# Altium PCB ZJUD_Bottomboard.PcbDoc
Units mm, origin at the board's own origin, x right, y up, seen from the top; angles counter-clockwise.
Board outline 101 x 72 mm, 2 copper layers (Top Layer, Bottom Layer), stack 1.671 mm thick; 69 components, 45 nets, 285 pads, 620 vias.
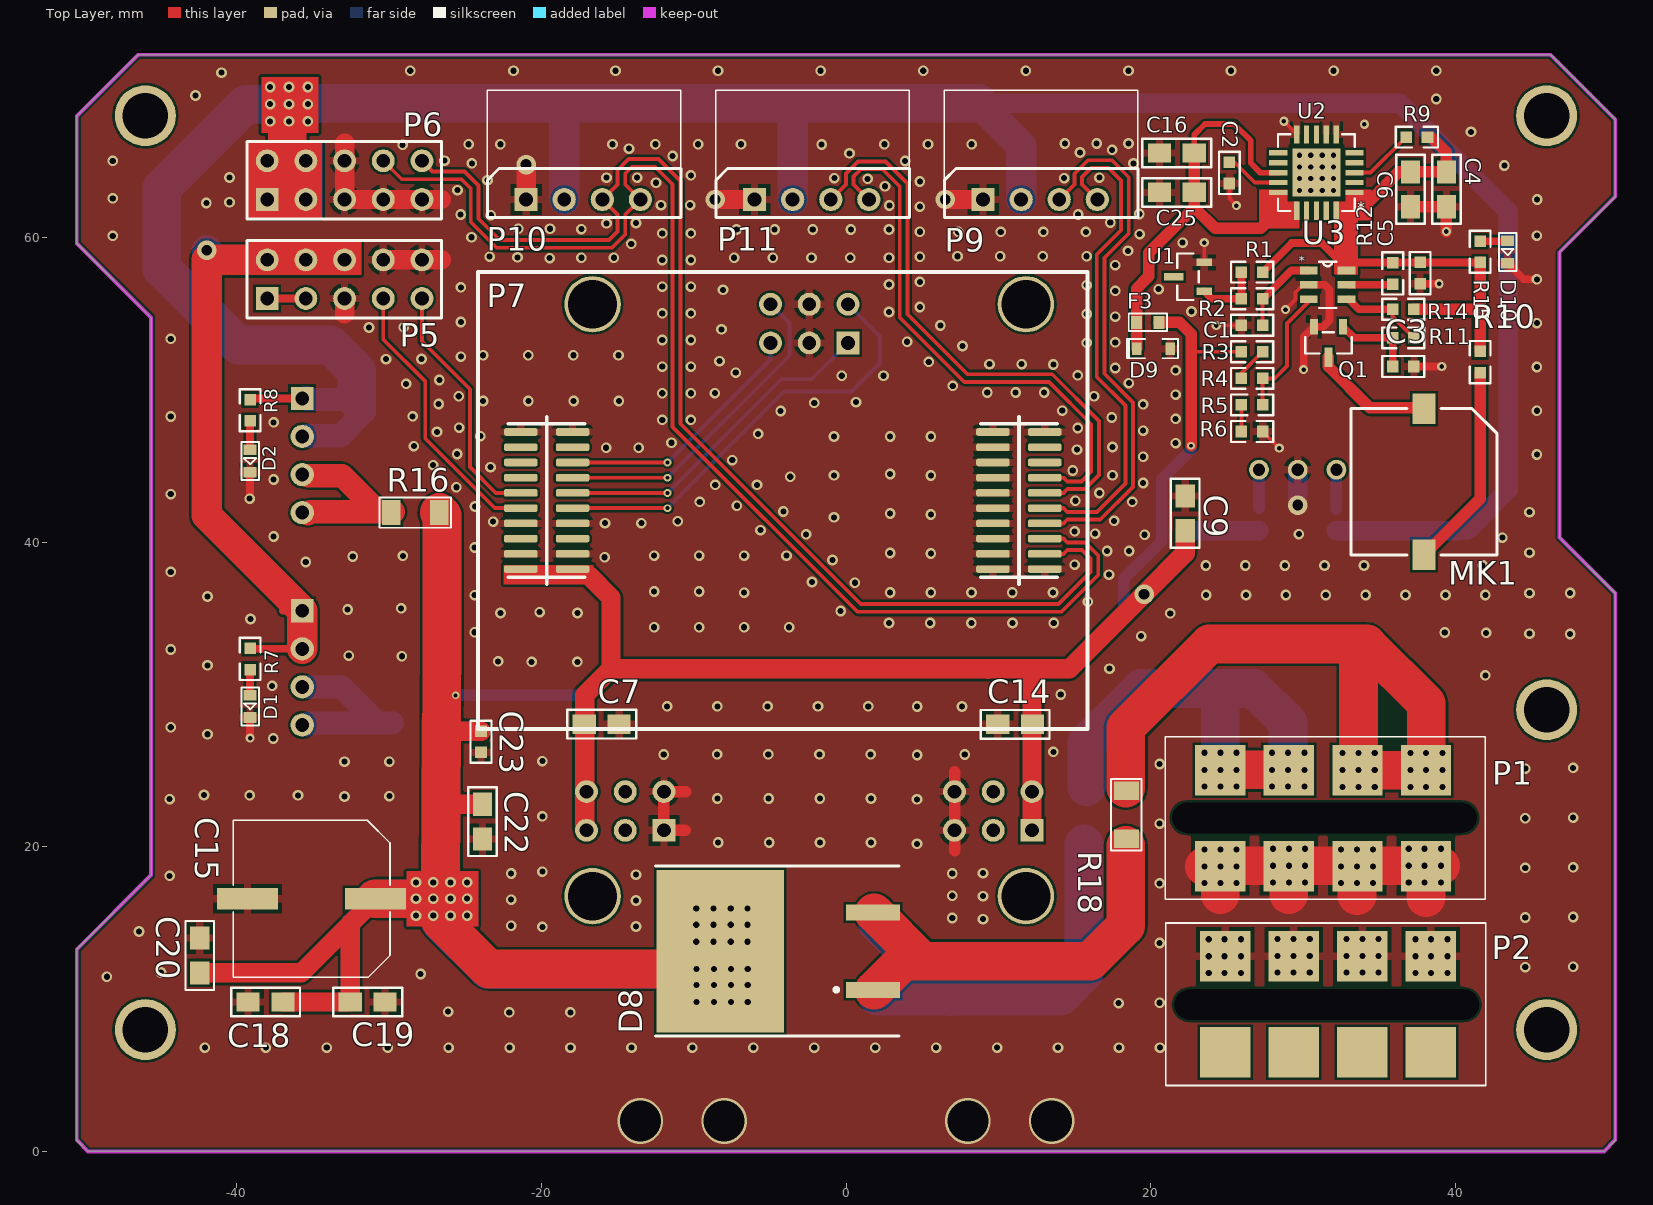
[diagram p0: Top Layer view]
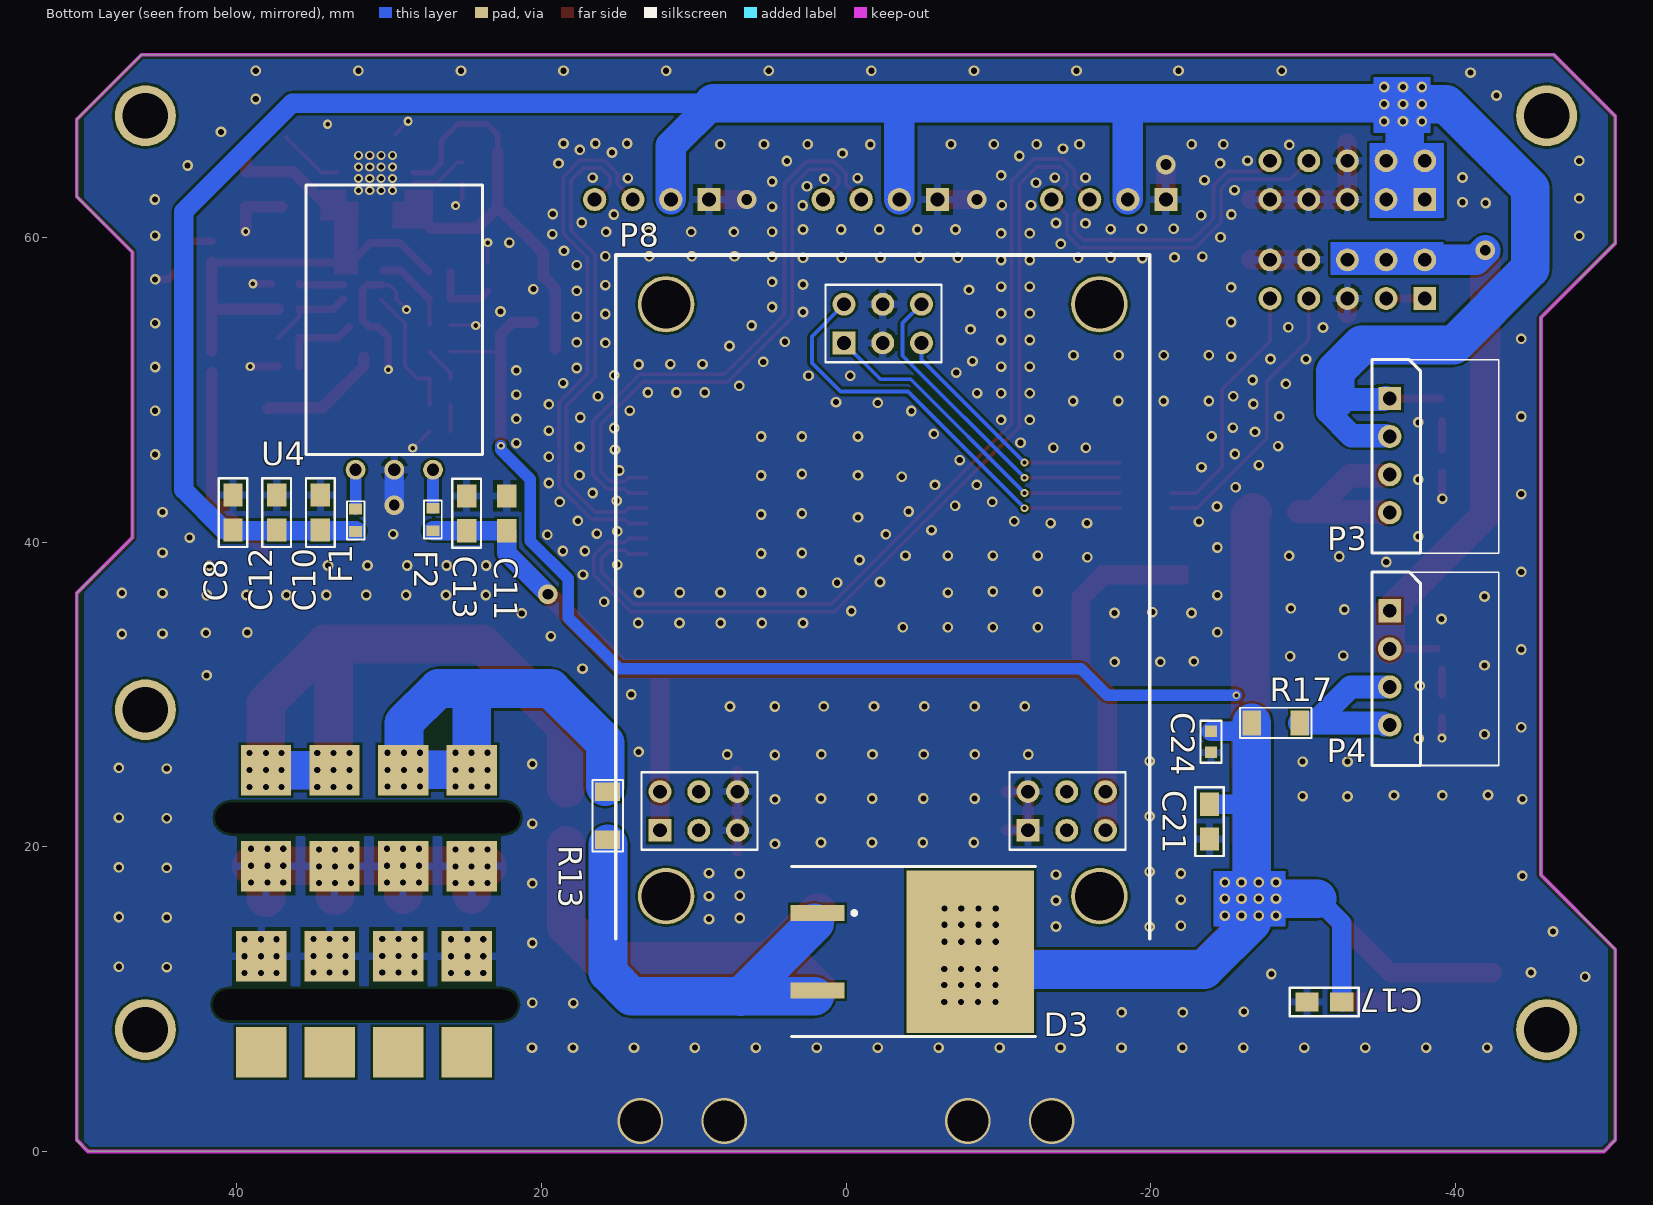
[diagram p1: Bottom Layer view, seen from below]

## Layer stack, top to bottom
Top Solder: solder mask 0.0102, Solder Resist, Dk 3.5
Top Layer: signal copper 0.0356
Dielectric1: core 1.6, FR-4, Dk 4.8
Bottom Layer: signal copper 0.0356
Bottom Solder: solder mask 0.0102, Solder Resist, Dk 3.5

## Board outline
-50.5,0.741 -49.759,0 49.759,0 50.5,0.741 50.5,36.656 46.853,40.303 46.853,59.038 50.5,62.685 50.5,67.766 46.266,72 -46.489,72 -50.5,67.989 -50.5,59.622 -45.628,54.751 -45.628,18.149 -50.5,13.278

## Design rules (kind name [scope] priority, off if disabled: settings)
Clearance Clearance_1 [INPOLYGON] p1: gap=0.152
Clearance [All] p2: gap=0.152
ComponentClearance [All] p1: gap=0 collisioncheckmode=3 verticalgap=0 showdistances=FALSE
DiffPairsRouting [All] p1: maxlimit=0.254 minlimit=0.254 mostfreqgap=0.254 toplayer_minwidth=0.203 toplayer_maxwidth=0.381 toplayer_prefwidth=0.381 bottomlayer_minwidth=0.203 bottomlayer_maxwidth=0.381 bottomlayer_prefwidth=0.381 maxuncoupledlength=12.7
HoleSize [All] p1: absolutevalues=TRUE maxlimit=20 minlimit=0.025 maxpercent=80.000 minpercent=20.000
MinimumSolderMaskSliver [All] p1: minsoldermaskwidth=0.01
NetAntennae [All] p1: netantennaetolerance=0.025
PlaneConnect [All] p1: planeconnectstyle=Relief reliefexpansion=0.508 reliefentries=4 reliefconductorwidth=1.27 reliefairgap=0.254
PolygonConnect PolygonConnect_1 [ISVIA] p1: connectstyle=Direct reliefconductorwidth=0.254 reliefentries=4 polygonreliefangle="90 Angle" airgapwidth=0.254
PolygonConnect [All] p2: connectstyle=Relief reliefconductorwidth=0.508 reliefentries=4 polygonreliefangle="90 Angle" airgapwidth=0.254
RoutingVias [All] p1: holewidth=0.254 width=0.508 viastyle="Through Hole" minholewidth=0.1 minwidth=0.105 maxholewidth=30 maxwidth=20
SilkToSilkClearance [All] p1: silktosilkclearance=0
SilkToSolderMaskClearance [IsPad] p1: minsilkscreentomaskgap=0 clearancetoexposedcopper=TRUE
SolderMaskExpansion [All] p1: expansion=0.102
Width [All] p1: maxlimit=3.81 minlimit=0.152 preferedwidth=0.254 minimp=50.000000 maximp=50.000000 favimp=50.000000
22 further rules are at their usual default settings.

## Components (designator, comment, footprint, x,y, rotation, side; value= is the part's Value field where it differs from the comment)
C1 "Cb" 0603C 25.959,54.246 r0 top
C2 "Cb" 0603C 25.171,63.551 r90 top
C3 "Cb" 0603C 37.287,51.537 r180 top
C4 "0805" 0805C#1 39.421,64.313 r270 top
C5 "Cb" 0603C 37.694,56.972 r90 top
C6 "0805" 0805C#1 37.059,64.313 r270 top
C7 "0805" 0805C#1 -14.894,28.055 r180 top
C8 "0805" 0805C#1 40.249,43.092 r270 bottom
C9 "0805" 0805C#1 22.266,43.041 r270 top
C10 "0805" 0805C#1 34.509,43.092 r270 bottom
C11 "0805" 0805C#2 22.266,43.041 r90 bottom
C12 "0805" 0805C#1 37.379,43.092 r270 bottom
C13 "0805" 0805C#1 24.909,43.041 r270 bottom
C14 "0805" 0805C#1 12.243,28.042 r180 top
C15 "Cap_Sanyo_330" CAP_SANYO_330 -35.087,16.6 r180 top
C16 "0805" 0805C#1 20.574,65.558 r0 top
C17 "0805" 0805C#1 -32.547,9.818 r0 bottom
C18 "0805" 0805C#1 -36.967,9.818 r180 top
C19 "0805" 0805C#1 -32.547,9.818 r0 top
C20 "0805" 0805C#1 -42.428,11.723 r90 top
C21 "0805" 0805C#1 -23.861,22.797 r270 bottom
C22 "0805" 0805C#1 -23.861,22.797 r270 top
C23 "0603" 0603C -23.962,27.598 r270 top
C24 "0603" 0603C -23.962,27.598 r270 bottom
C25 "0805" 0805C#1 20.574,62.967 r0 top
D1 "LED0603" 0603Led -39.126,29.224 r90 top
D2 "LED0603" 0603Led -39.126,45.327 r90 top
D3 "30CTQ80-S" D2PAK -4.226,13.12 r270 bottom
D8 "30CTQ80-S" D2PAK -4.318,13.157 r90 top locked
D9 "1N4007" SOD323-1N4007 20.193,52.705 r0 top
D10 "LED0603" 0603Led 43.434,59.055 r90 top
F1 "Fuse_0603" 0603Fuse 32.197,41.441 r270 bottom
F2 "Fuse_0603" 0603Fuse 27.117,41.492 r270 bottom
F3 "Fuse_0603" 0603Fuse 19.812,54.432 r180 top
MK1 "Buzzer_Smd_Source_9696" Buzzer_Smd_S 37.948,43.967 r180 top locked
P1 "DS_PWR_BOARD" DS_PWR_BOARD 24.577,25.033 r0 top
P2 "DS_PWR_BOARD" DS_PWR_BOARD 38.395,6.516 r180 top
P3 "5264-4" "5264-4 - wan" -35.7,49.442 r270 bottom locked
P4 "5264-4" "5264-4 - wan" -35.7,35.5 r270 bottom locked
P5 "Header 5X2" HDR2X5 -38,56 r0 top
P6 "Header 5X2" HDR2X5 -38,62.5 r0 top
P7 "ZJUD_Motor_Module" ZJUD_MOTOR_MODULE 15.85,27.737 r90 top locked
P8 "GYRO_Header 2X5_2.54" GYRO_HDR2X5_2.54 -2.413,55.626 r180 bottom locked
P9 "5264-4" "5264-4 - wan" 9,62.5 r0 top locked
P10 "5264-4" "5264-4 - wan" -21,62.5 r0 top locked
P11 "5264-4" "5264-4 - wan" -6,62.5 r0 top locked
Q1 "SI2302" SOT23-3 31.674,53.086 r180 top
R1 "Rb" 0603R 25.959,57.734 r0 top
R2 "Rb" 0603R 25.959,55.99 r0 top
R3 "Rb" 0603R 25.959,52.502 r0 top
R4 "Rb" 0603R 25.959,50.758 r0 top
R5 "Rb" 0603R 27.356,49.014 r180 top
R6 "Rb" 0603R 25.959,47.269 r0 top
R7 "Rb" 0603R -39.126,33.034 r270 top
R8 "Rb" 0603R -39.126,49.366 r270 top
R9 "Rb" 0603R 38.176,66.599 r180 top
R10 "Rb" 0603R 41.631,52.527 r270 top
R11 "Rb" 0603R 35.89,53.416 r0 top
R12 "Rb" 0603R 35.89,56.947 r90 top
R13 "FUSE1206" 1206R 15.646,22.047 r90 bottom
R14 "Rb" 0603R 35.89,55.296 r0 top
R15 "Rb" 0603R 41.631,58.369 r90 top
R16 "FUSE1206" 1206R -28.28,41.949 r180 top
R17 "FUSE1206" 1206R -28.207,28.134 r0 bottom
R18 "FUSE1206" 1206R 18.405,22.112 r270 top
U1 "LM4040C41IDBZR" SOT23-3 22.454,57.429 r90 top
U2 "TPS7A4701_RGW_20" VQFN-20 30.886,64.262 r180 top locked
U3 "LMV761" SOT23-6 31.623,56.896 r0 top
U4 "K7805-1500" K78X6-1500(L) 29.656,44.757 r270 bottom locked

## Footprints (in the part's own frame and the unit in brackets; to place one, negate y for a bottom-side part, rotate by r counter-clockwise, add the part's x,y. Pads: shape width x height; smd on the part's side, far side on the other; paste and mask are expansions set on the pad)
0603C [mil]
  rect 30x30 smd: 1(0,0) 2(55,0)
  silkscreen extent -27,-27 82,27, body extent -4,-16 58,16, height 12
0603Fuse [mm] "0603贴片保险丝"
  rect 0.7x0.85 smd: 1(-0.736,0) 2(0.736,0)
  silkscreen extent -1.25,-0.58 1.25,0.58, body extent -0.8,-0.4 0.8,0.4, height 0.73
0603Led [mm] "0603贴?"
  rect 0.7x0.85 smd: 1(-0.736,0) 2(0.736,0)
  silkscreen extent -1.25,-0.57 1.25,0.58, body extent -0.81,-0.4 0.81,0.4, height 0.62
0603R [mil]
  rect 30x30 smd: 1(0,0) 2(55,0)
  silkscreen extent -27,-27 82,27, body extent -4,-18 58,16, height 18
0805C#1 [mil]
  rect 60x50 smd: 1(0,0) 2(90,0)
  silkscreen extent -44,-37 134,37, body extent 5,-25 83,25, height 31
0805C#2 [mil]
  rect 60x50 smd: 1(0,0) 2(-90,0)
  body extent -83,-25 -5,25, height 31
1206R [mm] "1206贴片电阻"
  rect 1.2x1.65 smd: 1(-1.575,0) 2(1.575,0)
  silkscreen extent -2.35,-1 2.35,1, body extent -1.6,-0.8 1.6,0.8, height 0.52
"5264-4 - wan" [mil]
  rect 60x59.05 hole 36: 1(0,0)
  round 60 hole 36: 2(98.43,0) 3(196.85,0) 4(295.28,0)
  silkscreen extent -100,-46 400,282, body extent -101,-16 391,283, height 197
Buzzer_Smd_S [mm]
  rect 1.5x2 smd: 1(0,4.8) 2(0,-4.8)
  silkscreen extent -4.8,-4.8 4.8,4.8, body extent -4.8,-4.9 4.8,4.9, height 5.52
CAP_SANYO_330 [mm] "贴片电解电容"
  rect 4x1.4 smd: 1(-4.2,0) 2(4.2,0)
  silkscreen extent -5.15,-5.15 5.15,5.15, body extent -5.56,-5.15 5.54,5.15, height 10.13
D2PAK [mil]
  rect 41.34x140 smd: 1(-100,-240) 3(100,-240)
  rect 420x330 smd: 2(0,155)
  silkscreen extent -219,-307 219,323, body extent -200,-288 200,313, height 184
DS_PWR_BOARD [mil]
  round 39.37 hole 78.74 slot 787.4 at 0 deg: 0(269,-123)
  rect 130x130 smd far side: 1(0,0) 2(177.17,0) 3(354.33,0) 4(531.5,0) 5(0,-248.03) 6(177.17,-248.03) 7(354.33,-248.03) 8(531.5,-248.03)
  rect 130x130 smd: 1(0,0) 2(177.17,0) 3(354.33,0) 4(531.5,0) 5(0,-248.03) 6(177.17,-248.03) 7(354.33,-248.03) 8(531.5,-248.03)
  silkscreen extent -142,-334 685,86, body extent -241,-747 789,79, height 203
GYRO_HDR2X5_2.54 [mm] "Connector; Header; 4x2 Position"
  round 3.7 hole 3.2: 0(-14.224,-38.862) 0(-14.224,0) 0(14.224,-38.862) 0(14.224,0)
  round 1.5 hole 0.9: 1(-2.54,0) 2(0,0) 3(2.54,0) 5(0,-2.54) 6(2.54,-2.54) 7(-14.62,-32) 8(-12.08,-32) 9(-9.54,-32) 11(-12.08,-34.54) 12(-9.54,-34.54) 13(9.54,-32) 14(12.08,-32) 15(14.62,-32) 17(12.08,-34.54) 18(14.62,-34.54)
  rect 1.5x1.5 hole 0.9: 4(-2.54,-2.54) 10(-14.62,-34.54) 16(9.54,-34.54)
  silkscreen extent -17.53,-41.66 17.53,3.23, body extent -15.84,-35.81 15.94,1.27, height 7.12
HDR2X5 [mm] "Connector; Header; 4x2 Position"
  rect 1.5x1.5 hole 0.9: 1(0,0)
  round 1.5 hole 0.9: 2(0,2.54) 3(2.54,0) 4(2.54,2.54) 5(5.08,0) 6(5.08,2.54) 7(7.62,0) 8(7.62,2.54) 9(10.16,0) 10(10.16,2.54)
  silkscreen extent -1.32,-1.27 11.46,3.81, body extent -1.27,-1.27 11.43,3.81, height 7.12
K78X6-1500(L) [mm]
  round 1.3 hole 0.8: 1(0,-2.54) 2(0,0) 3(0,2.54)
  silkscreen extent -18.7,-5.8 -1,5.8, body extent -18.7,-5.75 0.3,5.75, height 9.02
SOD323-1N4007 [mm] "0603贴片LED"
  rect 0.63x0.83 smd: 1(-1.1,0) 2(1.1,0)
  silkscreen extent -1.75,-0.63 1.6,0.63, body extent -1.26,-0.62 1.26,0.63, height 0.96
SOT23-3 [mil]
  rect 20x40 smd: 1(-37.4,-41.94) 2(37.4,-41.94)
  rect 20x50.5 smd: 3(0,36.69)
  silkscreen extent -60,-28 60,28, body extent -57,-49 58,50, height 39
SOT23-6 [mil]
  rect 46x20 smd: 1(-49,37.4) 2(-49,0) 3(-49,-37.4) 4(49,-37.4) 5(48.99,0) 6(49,37.4)
  silkscreen extent -22,-60 22,60, body extent -56,-58 56,58, height 44
VQFN-20 [mm]
  rect 1.2x0.35 smd: 1(-2.5,1.3) 2(-2.5,0.65) 3(-2.5,0) 4(-2.5,-0.65) 5(-2.5,-1.3) 11(2.5,-1.3) 12(2.5,-0.65) 13(2.5,0) 14(2.5,0.65) 15(2.5,1.3)
  rect 0.35x1.2 smd: 6(-1.3,-2.5) 7(-0.65,-2.5) 8(0,-2.5) 9(0.65,-2.5) 10(1.3,-2.5) 16(1.3,2.5) 17(0.65,2.5) 18(0,2.5) 19(-0.65,2.5) 20(-1.3,2.5)
  rect 3.15x3.15 smd: 21(0,0)
  silkscreen extent -2.52,-2.52 2.52,2.52, body extent -2.52,-2.52 2.52,2.52, height 0.94
ZJUD_MOTOR_MODULE [mm]
  rrect50% 0.5x2.2 smd: 1(10.5,37.2) 2(10.5,33.8) 3(11.5,37.2) 4(11.5,33.8) 5(12.5,37.2) 6(12.5,33.8) 7(13.5,37.2) 8(13.5,33.8) 9(14.5,37.2) 10(14.5,33.8) 11(15.5,37.2) 12(15.5,33.8) 13(16.5,37.2) 14(16.5,33.8) 15(17.5,37.2) 16(17.5,33.8) 17(18.5,37.2) 18(18.5,33.8) 19(19.5,37.2) 20(19.5,33.8) 21(10.5,6.2) 22(10.5,2.8) 23(11.5,6.2) 24(11.5,2.8) 25(12.5,6.2) 26(12.5,2.8) 27(13.5,6.2) 28(13.5,2.8) 29(14.5,6.2) 30(14.5,2.8) 31(15.5,6.2) 32(15.5,2.8) 33(16.5,6.2) 34(16.5,2.8) 35(17.5,6.2) 36(17.5,2.8) 37(18.5,6.2) 38(18.5,2.8) 39(19.5,6.2) 40(19.5,2.8)
  silkscreen extent 0,0 30,40, body extent 0,0 30,40, height 8.62

## Part data
C1 C2 C3 C5: library part Cap0603
C4 C6 C7 C8 C9 C10 C11 C12 C13 C14 C16 C17 C18 C19 C20 C21 C22 C23 C24 C25: library part Cap0805
D3 D8: library part MBR1035CT
D9: "1N4007-SOD323"
MK1: "贴片有源蜂鸣器9.6mm"
P1 P2: "电池接口转接小板"
P3 P4 P9 P10 P11: "电机连接线"
P5 P6: "Header, 4-Pin, Dual row"
Q1: "N-Channel MOSFET"
R1 R2 R3 R4 R5 R6 R7 R8 R9 R10 R11 R12 R14 R15: library part Res0603
R13 R16 R17 R18: library part Res1206
U1: library part LM4040A25IDBZT, "LM4040A25IDBZT"
U2: "TPS7A4701"

## Free pads (board coordinates)
  round 4 hole 3: 0(-46,8) 0(-46,68) 0(46,8) 0(46,68) 2(46,29)

## Via types
v1: diameter 0.7, hole 0.4, Top Layer to Bottom Layer, 576 vias
v2: diameter 0.6, hole 0.35, Top Layer to Bottom Layer, 16 vias
v3: diameter 0.6, hole 0.3, Top Layer to Bottom Layer, 12 vias
v4: diameter 0.508, hole 0.254, Top Layer to Bottom Layer, 6 vias
v5: diameter 1.27, hole 0.711, Top Layer to Bottom Layer, 6 vias
v6: diameter 3, hole 2.7, Top Layer to Bottom Layer, 4 vias

## Nets (pads, with @x,y where several pads share a name; then routed paths per layer and width w, separated by ;. In a path a pad name is that pad's centre, name@x,y a point inside that pad or via, vN(x,y) a via of type N, cw(c..) or ccw(c..) an arc to the next point about the centre after c; other vN are vias at no path point)
485_1_A: P6.10 P7.24 P10.3 | length 79.2
  Top Layer w0.254: P6.10 -27.138,64.338 -25.037,64.338 -24.13,63.431 -24.13,61.239 -22.733,59.842 -15.57,59.842 -15.004,60.409 -15.004,61.504 P10.3 -15.004,63.496 -15.004,64.422 -14.275,65.151 -12.312,65.151 -10.871,63.71 -10.871,47.777 0.965,35.941 13.945,35.941 16.053,38.049 16.053,38.924 15.494,39.483 14.523,39.483 14.277,39.237 P7.24
485_1_B: P6.8 P7.26 P10.4 | length 83.7
  Top Layer w0.254: P6.8 -29.17,63.83 -25.248,63.83 -24.638,63.221 -24.638,61.029 -22.943,59.334 -15.36,59.334 -14.496,60.198 -14.496,61.504 P10.4 -14.496,63.496 -14.496,64.211 -14.064,64.643 -12.522,64.643 -11.379,63.5 -11.379,47.567 0.755,35.433 14.155,35.433 16.561,37.839 16.561,39.134 15.704,39.991 14.523,39.991 14.277,40.237 P7.26
485_2_A: P7.28 P9.3 | length 35.1
  Top Layer w0.254: P7.28 14.277,41.237 14.523,41.483 16.695,41.483 18.847,43.635 18.847,49.182 16.971,51.058 16.971,58.678 18.567,60.274 18.567,63.964 17.457,65.075 15.878,65.075 14.996,64.193 14.996,63.496 P9.3
485_2_B: P7.30 P9.4 | length 32.5
  Top Layer w0.254: P7.30 14.277,42.237 14.523,41.991 16.485,41.991 18.339,43.845 18.339,48.971 16.463,50.847 16.463,58.888 18.059,60.485 18.059,63.754 17.247,64.567 16.088,64.567 15.504,63.983 15.504,63.496 P9.4
485_3_A: P7.32 P11.3 | length 38.8
  Top Layer w0.254: P11.3 -0.004,63.496 -0.004,64.218 0.776,64.999 2.598,64.999 4.039,63.558 4.039,54.966 7.976,51.029 13.538,51.029 16.612,47.955 16.612,44.415 15.679,43.483 14.523,43.483 14.277,43.237 P7.32
485_3_B: P7.34 P11.4 | length 36.2
  Top Layer w0.254: P11.4 0.504,63.496 0.504,64.008 0.987,64.491 2.388,64.491 3.531,63.348 3.531,54.755 7.765,50.521 13.328,50.521 16.104,47.745 16.104,44.626 15.469,43.991 14.523,43.991 14.277,44.237 P7.34
485_4_A: P7.36
485_4_B: P7.38
+5V_BOTTOM: C7.2 C9.2 C11.2 C13.2 C14.1 F2.2 P7.1 P7.2 P8.7 P8.10 P8.15 P8.18 | length 81
  Top Layer w1.27: P8.18@-17.155,21.201 -17.155,29.96 -15.428,31.687 ; -16.916,37.846 -15.428,36.357 -15.428,31.687 ; 9.337,31.662 9.363,31.687 ; P8.10 P8.7 12.207,31.626 ; C9.2 22.266,39.283 v5(19.572,36.588) 14.671,31.687 9.363,31.687 ; -15.428,31.687 9.363,31.687
  Bottom Layer w1.27: v5(19.572,36.588) 22.276,39.292 C11.2@22.276,40.755 ; C11.2 C11.2@22.276,40.755 ; C13.2 C11.2@22.276,40.755 ; C13.2 F2.2
+5V_MIDDLE: P5.1 P5.3 | length 2.5
  Top Layer w0.508: P5.1 P5.3
+5V_VTEST: C4.1 C5.2 C6.1 R1.2 R9.1 R10.1 R12.2 R14.2 R15.1 U2.1 U2.20 U3.6 | length 36
  Top Layer w0.508: R1.2 29.261,59.639 31.227,59.639 33.02,57.846 33.543,58.369 C5.2 R15.1 ; 38.176,64.338 38.202,64.313
  Top Layer w0.762: 33.655,61.697 33.68,61.697 36.297,64.313 C6.1 38.202,64.313 C4.1 39.421,65.608 38.43,66.599 R9.1 ; R14.2 41.631,55.296 ; R10.1 41.631,55.296 ; R15.1 41.631,55.296
+16V_VTEST: C16.2 C25.2 D9.1 F3.2 U2.13 U2.15 U2.16 | length 30.6
  Top Layer w0.381: C16.2 22.86,66.751 23.571,67.462 25.476,67.462 26.568,66.37 26.568,64.897 27.203,64.262 U2.13
  Top Layer w0.762: D9.1@19.076,52.722 F3.2 19.076,56.643 19.888,57.455 19.888,59.004 22.86,61.976 ; C16.2 C25.2 22.86,61.976 ; 28.651,62.027 27.229,60.604 24.232,60.604 22.86,61.976
DGND: C1.1 C2.1 C3.1 C4.2 C5.1 C6.2 C7.1 C8.1 C9.1 C10.1 C11.1 C12.1 C13.1 C14.2 C15.2 C16.1 C17.2 C18.2 C19.2 C20.2 C21.2 C22.2 C23.2 C24.2 C25.1 D1.1 D2.1 D9.2 D10.1 P1.5 P1.6 P1.7 P1.8 P2.5 P2.6 P2.7 P2.8 P5.5 P5.8 P5.10 P6.5 P6.6 P6.7 P6.9 P7.3 P7.4 P7.7 P7.8 P7.19 P7.20 P7.21 P7.22 P7.23 P7.25 P7.27 P7.29 P7.31 P7.33 P7.35 P7.37 P7.39 P7.40 P8.2 P8.5 P8.9 P8.12 P8.13 P8.16 P9.1 P10.1 P11.1 Q1.2 R6.2 U1.2 U2.6 U2.7 U2.10 U2.21 U3.2 U4.2 | length 88.5
  Top Layer w0.254: U1.2 v3(23.519,59.666) ; v3(24.308,54.229) 24.325,54.246 C1.1 ; C2.1 25.171,62.56 v3(25.629,62.103) ; R6.2 v3(28.448,46.177) ; v3(28.753,67.64) U2.10@29.586,66.807 ; v3(28.854,55.27) 29.515,55.931 29.515,56.413 29.997,56.896 U3.2@30.531,56.896
  Top Layer w0.508: v3(-39.126,27.141) D1.1 ; v1@-39.126,42.863 D2.1 ; v3(30.048,51.333) 30.048,53.476 Q1.2 31.317,54.151 31.75,54.585 31.75,56.566 31.42,56.896 U3.2@30.531,56.896 ; C3.1 v3(39.116,51.537) ; C5.1 v3(38.938,56.972) ; D10.1 44.497,57.257 v1(45.354,57.257)
  Top Layer w0.762: -10.562,21.086 P8.16 P8.13 -10.512,23.626 ; P8.9@7.112,23.641 P8.9 ; 7.127,19.746 P8.12 P8.9 ; 7.127,24.928 P8.9 ; C6.2 C4.2 v3(39.421,60.401)
  Top Layer w1.27: -32.928,55.005 -32.92,55.013 P5.5 ; -32.92,66.203 P6.6 P6.5 P6.7 P6.9 -26.578,62.5 ; P5.8 P5.10 -26.578,58.54 ; P10.1 v5(-21,64.793) ; v5(-8.593,62.5) P11.1 ; v5(6.515,62.5) P9.1
  Top Layer w2.54: v1(23.536,18.708) 23.587,18.759 v1(28.032,18.759) v1(29.073,18.759) ; 24.577,16.85 v1(24.577,17.616) v1(24.577,18.708) ; 29.073,16.85 v1(29.073,17.667) v1(29.073,18.759) ; 33.543,16.799 v1(33.543,17.616) v1(33.543,18.708) ; 38.075,16.662 38.075,18.673 v1(37.988,18.759) ; v1(39.055,18.759) v1(37.988,18.759) ; v1(29.073,18.759) v1(30.14,18.759) v1(36.947,18.759) v1(37.988,18.759)
  Bottom Layer w1.27: v5(29.656,42.433) U4.2
  other v1: -42.091,6.821 -38.09,6.821 -34.089,6.821 -30.088,6.821 -26.087,6.821 -22.086,6.821 -18.085,6.821 -14.085,6.821 -10.084,6.821 -6.083,6.821 -2.082,6.821 1.919,6.821 5.92,6.821 9.921,6.821 13.922,6.821 17.922,6.821 20.615,6.821 -22.108,9.132 -18.095,9.132 -26.121,9.183 17.897,9.742 20.589,9.767 -48.524,11.469 -27.925,11.647 23.815,11.723 24.857,11.723 25.923,11.723 37.379,11.723 38.42,11.723 39.487,11.723 -44.968,11.748 28.336,11.748 29.378,11.748 30.445,11.748 32.858,11.748 33.899,11.748 34.966,11.748 44.592,12.104 47.742,12.129 23.815,12.815 24.857,12.815 25.923,12.815 37.379,12.815 38.42,12.815 39.487,12.815 28.336,12.841 29.378,12.841 30.445,12.841 32.858,12.841 33.899,12.841 34.966,12.841 20.589,13.685 23.815,13.933 24.857,13.933 25.923,13.933 37.379,13.933 38.42,13.933 39.487,13.933 28.336,13.958 29.378,13.958 30.445,13.958 32.858,13.958 33.899,13.958 34.966,13.958 -46.416,14.441 -19.939,14.746 -13.792,14.771 -21.981,14.822 8.992,15.254 6.975,15.33 44.592,15.362 47.742,15.393 -13.792,16.473 -21.981,16.536 8.992,16.765 6.975,16.79 20.589,17.603 23.536,17.616 25.644,17.616 32.502,17.616 34.61,17.616 28.032,17.667 30.14,17.667 36.947,17.667 37.988,17.667 39.055,17.667 -44.409,18.098 -13.792,18.175 -21.981,18.251 6.975,18.251 8.992,18.276 -19.939,18.373 44.592,18.619 47.742,18.657 25.644,18.708 32.502,18.708 34.61,18.708 23.536,19.826 24.577,19.826 25.644,19.826 32.502,19.826 33.543,19.826 34.61,19.826 28.032,19.876 29.073,19.876 30.14,19.876 36.947,19.876 37.988,19.876 39.055,19.876 4.664,20.193 -8.392,20.283 -5.048,20.283 -1.703,20.283 1.641,20.283 20.589,21.521 44.592,21.877 47.742,21.921 -19.939,22.001 4.664,23.114 -44.409,23.135 -8.443,23.178 -5.082,23.178 -1.72,23.178 1.641,23.178 -32.928,23.305 -29.982,23.331 -39.151,23.382 -35.976,23.382 -42.149,23.407 44.592,25.134 47.742,25.185 20.589,25.439 -32.928,25.591 -29.982,25.591 -19.939,25.629 4.674,26.035 -11.963,26.06 7.798,26.06 -8.462,26.074 -5.103,26.074 -1.744,26.074 1.616,26.074 13.614,26.238 -37.602,27.115 -41.92,27.395 -44.333,27.852 4.674,29.21 7.62,29.21 -11.745,29.224 -8.443,29.224 -5.141,29.224 -1.839,29.224 1.463,29.224 14.097,29.997 -37.678,30.57 41.976,31.256 17.297,31.699 -41.92,31.916 -20.635,32.145 -17.638,32.145 -22.835,32.182 -29.159,32.512 -32.649,32.551 -44.333,32.952 19.38,33.833 47.539,33.973 44.872,33.999 42.027,34.05 -24.384,34.087 39.309,34.075 -12.598,34.417 -9.644,34.417 -6.689,34.417 -3.734,34.417 2.819,34.696 5.524,34.696 8.23,34.696 10.935,34.696 13.64,34.696 -39.101,34.964 21.285,35.331 -22.682,35.357 -17.628,35.357 -20.117,35.408 -0.356,35.484 -32.715,35.585 -29.21,35.662 15.875,36.093 -41.92,36.437 -24.384,36.525 23.643,36.539 26.262,36.539 28.881,36.539 31.5,36.539 34.119,36.539 36.738,36.539 39.357,36.539 41.976,36.539 44.872,36.657 47.539,36.666 -6.689,36.69 2.896,36.703 5.569,36.703 8.242,36.703 10.916,36.703 13.589,36.703 -12.598,36.767 -9.644,36.767 0.584,37.338 -2.235,37.389 17.272,37.871 -44.333,38.053 23.623,38.469 26.22,38.469 28.816,38.469 31.413,38.469 34.009,38.469 41.798,38.469 15.011,38.532 -35.468,38.698 -0.889,38.837 -15.85,39.014 -32.385,39.065 -29.093,39.104 -12.598,39.116 -9.644,39.116 -6.689,39.116 -3.912,39.116 5.569,39.262 2.896,39.294 44.872,39.316 17.145,39.421 18.593,39.421 -24.384,39.649 43.094,40.298 -37.577,40.374 19.609,40.488 -2.616,40.513 29.733,40.527 16.358,40.564 15.011,40.716 -5.613,40.792 -15.824,41.25 -13.437,41.25 -23.165,41.351 -11.049,41.377 17.602,41.402 -0.787,41.631 5.569,41.821 2.896,41.885 44.872,41.974 -4.115,42.012 -24.359,42.342 -7.163,42.393 -9.601,42.647 18.796,42.647 15.062,42.723 -39.151,42.863 -44.333,43.153 16.637,43.231 -25.578,43.612 -8.585,43.764 -5.842,43.764 19.507,43.891 -37.577,44.121 -3.658,44.298 5.569,44.38 -0.787,44.386 17.501,44.399 2.896,44.475 14.884,44.704 -23.343,44.933 -27.102,45.06 -7.468,45.39 19.507,45.61 45.354,45.759 -25.527,45.796 15.164,46.076 -15.748,46.203 -13.614,46.203 17.501,46.253 -28.372,46.304 21.641,46.507 -11.455,46.533 -0.787,46.939 2.896,46.939 5.569,46.939 -24.003,46.965 -5.766,47.117 -26.848,47.244 19.507,47.329 15.215,47.498 -25.4,47.523 -37.577,47.867 -12.065,48.031 -10.185,48.031 21.641,48.099 17.45,48.184 -44.333,48.253 -28.448,48.26 -4.293,48.616 14.199,48.641 45.354,48.633 19.507,49.047 -26.746,49.073 -2.083,49.149 0.66,49.2 -23.825,49.276 -20.853,49.276 -17.882,49.276 -14.91,49.276 -25.425,49.581 16.281,49.581 21.641,49.691 -12.065,49.78 -10.185,49.78 -8.611,49.784 9.271,49.835 11.138,49.835 13.005,49.835 7.01,50.267 -28.88,50.394 18.567,50.444 -26.695,50.648 -0.279,50.927 2.464,50.927 15.215,50.952 -7.239,51.13 21.641,51.283 17.678,51.435 45.354,51.508 -12.065,51.529 -10.185,51.529 13.614,51.664 9.423,51.689 11.532,51.689 5.436,51.841 -8.306,51.892 -30.201,52.019 -27.874,52.033 -25.283,52.185 -23.825,52.273 -20.862,52.273 -17.899,52.273 -14.935,52.273 7.645,52.883 15.799,53.086 17.678,53.124 4.013,53.162 -12.065,53.278 -10.185,53.278 -44.333,53.354 -8.179,53.975 -31.318,54.102 -29.042,54.116 6.198,54.229 45.354,54.382 -25.283,54.458 17.678,54.813 15.799,54.983 -12.065,55.027 -10.185,55.027 2.819,55.118 22.682,55.143 4.851,55.448 17.678,56.502 -8.077,56.566 20.523,56.617 -25.283,56.732 -12.065,56.776 -10.185,56.776 15.799,56.879 2.819,56.921 4.851,57.094 17.678,58.191 -12.065,58.525 -10.185,58.525 -19.456,58.649 -17.374,58.674 -15.24,58.674 -7.341,58.674 -4.801,58.674 -2.261,58.674 0.279,58.674 2.819,58.674 -21.565,58.699 -23.393,58.75 4.851,58.74 7.315,58.776 10.118,58.776 12.92,58.776 15.799,58.776 18.517,59.131 -14.097,59.588 22.098,59.665 -24.587,60.02 -48.143,60.11 45.354,60.131 19.279,60.223 -12.065,60.274 -10.185,60.274 4.851,60.386 7.366,60.376 10.16,60.376 12.954,60.376 15.748,60.376 -7.188,60.528 -4.686,60.528 -2.184,60.528 0.318,60.528 2.819,60.528 -17.374,60.554 -21.514,60.579 -19.431,60.579 -15.723,60.935 -13.792,60.96 17.348,60.985 -23.317,61.468 -25.298,61.519 15.24,61.519 19.253,61.544 4.851,62.032 2.845,62.103 -12.141,62.128 -10.236,62.128 -41.996,62.269 -40.472,62.32 45.38,62.498 -48.143,62.574 -25.502,63.119 2.565,63.373 -12.471,63.602 4.851,63.678 -23.54,63.77 1.422,63.856 -0.762,63.906 14.326,63.906 -15.723,63.932 -13.716,63.932 16.637,63.932 -40.472,63.945 -10.185,64.084 43.221,64.733 -24.562,64.872 18.872,64.872 3.886,65.024 -48.143,65.038 -26.365,65.049 -11.379,65.354 0.229,65.532 15.367,65.583 17.475,65.761 -14.249,65.837 -29.108,66.091 -1.6,66.116 -24.775,66.13 -22.692,66.13 -15.326,66.13 -12.515,66.13 -9.704,66.13 -6.893,66.13 2.522,66.13 5.383,66.13 8.245,66.13 14.366,66.181 16.456,66.181 18.545,66.181 41.036,66.943 38.75,69.102 -42.707,69.33 -41.006,70.829 -28.61,70.956 -21.829,70.956 -15.138,70.956 -8.402,70.956 -1.666,70.956 5.07,70.956 11.806,70.956 18.542,70.956 25.278,70.956 32.014,70.956 38.75,70.956
  other v2: 29.775,63.089 30.52,63.089 31.265,63.089 32.01,63.089 29.775,63.876 30.52,63.876 31.265,63.876 32.01,63.876 29.775,64.638 30.52,64.638 31.265,64.638 32.01,64.638 29.775,65.4 30.52,65.4 31.265,65.4 32.01,65.4
  other v3: 34.036,67.437
  other v6: -13.5,2 -8,2 8,2 13.5,2
NetC1_2: C1.2 R2.2 U3.1 | length 5.5
  Top Layer w0.254: C1.2 R2.2
  Top Layer w0.508: R2.2 27.39,55.99 29.246,57.846 U3.1
NetC2_2: C2.2 U2.14 | length 3.8
  Top Layer w0.254: C2.2 25.502,64.948 26.837,63.612 U2.14
NetC3_2: C3.2 Q1.1 R11.1 | length 5.5
  Top Layer w0.508: Q1.1 33.359,53.416 R11.1 C3.2
NetD1_2: D1.2 R7.2 | length 1.7
  Top Layer w0.508: D1.2@-39.126,29.96 R7.2
NetD2_2: D2.2 R8.2 | length 1.9
  Top Layer w0.508: D2.2 R8.2
NetD3_1: D3.1 D3.3 R13.1 | length 29.5
  Bottom Layer w2.54: D3.3@2.073,10.199 14.087,10.199 15.621,11.733 R13.1@15.621,20.181 ; 2.073,15 6.912,10.161
NetD8_1: D8.1 D8.3 R18.2 | length 28.1
  Top Layer w2.54: D8.1@1.844,10.58 3.749,12.485 16.041,12.485 18.364,14.808 R18.2@18.364,20.105 ; D8.3@1.844,15.66 5.019,12.485
NetD10_2: D10.2 R15.2 | length 1.8
  Top Layer w0.508: R15.2 43.409,59.766 D10.2
NetF1_1: F1.1 U4.1 | length 2.6
  Bottom Layer w0.762: U4.1 32.196,42.178 F1.1
NetF2_1: F2.1 U4.3 | length 2.5
  Bottom Layer w0.762: F2.1@27.116,42.229 U4.3
NetMK1_1: MK1.1 R10.2 | length 13.5
  Top Layer w0.762: MK1.1 41.631,42.85 R10.2
NetMK1_2: MK1.2 Q1.3 | length 8
  Top Layer w0.762: Q1.3 31.674,51.537 34.392,48.819 37.896,48.819 MK1.2
NetR1_1: R1.1 R2.1 U1.1 | length 4.4
  Top Layer w0.508: U1.1 24.008,55.99 R2.1 R1.1
NetR3_2: R3.2 R4.1 | length 2.3
  Top Layer w0.254: R4.1 25.959,51.105 R3.2
NetR4_2: R4.2 R5.1 U3.3 | length 8.7
  Top Layer w0.254: R5.1 R4.2 28.152,50.758 28.956,51.562 28.956,54.371 U3.3@30.531,55.946
NetR5_2: R5.2 R6.1 | length 1.7
  Top Layer w0.254: R6.1 R5.2
NetR9_2: R9.2 U2.3 | length 4.4
  Top Layer w0.254: U2.3 34.442,64.262 R9.2
NetR11_2: R11.2 R14.1 U3.4 | length 5.6
  Top Layer w0.254: R14.1 35.89,54.813 R11.2
  Top Layer w0.508: U3.4@33.02,55.946 33.67,55.296 R14.1
NetR12_1: R12.1 U3.5 | length 2.9
  Top Layer w0.508: U3.5@33.02,56.896 35.839,56.896 R12.1
SPI2_CS: P7.10 P8.1 | length 28.9
  Top Layer w0.254: P7.10 v4(-11.715,42.237) v4@-11.713,42.237
  Bottom Layer w0.254: v4(-11.715,42.237) -4.061,49.891 0.361,49.891 2.235,51.765 2.235,53.518 P8.1
SPI2_MISO: P7.14 P8.3 | length 21.5
  Top Layer w0.254: P7.14 v4(-11.715,44.237) v4@-11.699,44.237
  Bottom Layer w0.254: v4(-11.715,44.237) -3.708,52.244 -3.708,54.381 P8.3
SPI2_MOSI: P7.16 P8.6 | length 16.9
  Top Layer w0.254: P7.16 v4(-11.715,45.237) v4@-11.685,45.237
  Bottom Layer w0.254: v4(-11.715,45.237) -4.953,51.999 P8.6
SPI2_SCK: P7.12 P8.4 | length 22.2
  Top Layer w0.254: P7.12 v4(-11.715,43.237)
  Bottom Layer w0.254: v4(-11.715,43.237) -4.254,50.698 -2.261,50.698 P8.4
UPPER_RXD: P5.7 P7.9 | length 18.5
  Top Layer w0.254: P5.7 -30.38,53.32 -27.62,50.56 -27.62,46.797 -23.06,42.237 P7.9
UPPER_TXD: P5.9 P7.11 | length 16.4
  Top Layer w0.254: P5.9 -27.84,53.193 -24.689,50.042 -24.689,44.933 -22.993,43.237 P7.11
V_PC_AF_SW: P4.1 P4.2 P5.2 P5.4 P5.6 R7.1 | length 45.8
  Top Layer w0.508: R7.1@-38.788,33 P4.2 ; -36.964,35.5 P4.1
  Top Layer w2: P4.2 P4.1 -41.971,41.771 -41.971,58.54 P5.2 P5.4
  Bottom Layer w2: v5(-41.971,59.17) -41.341,58.54 P5.2 P5.4
V_PC_BF_SW: P4.3 P4.4 R17.1 | length 12.3
  Bottom Layer w1.524: P4.4@-35.395,28 -35.261,28.134 R17.1 -30.772,28.134 -33.138,30.5 P4.3@-35.395,30.5
V_SUB_AF_SW: C8.2 C10.2 C12.2 F1.2 P3.1 P3.2 P6.1 P6.2 P6.3 P6.4 P9.2 P10.2 P11.2 R8.1 | length 191.1
  Top Layer w0.508: R8.1@-39.05,49.442 P3.1
  Top Layer w2: P6.1@-38.241,62.625 P6.1@-38.004,62.388
  Top Layer w2.54: -36.688,63.704 -36.688,69.254
  Bottom Layer w1.27: 8.702,68.822 36.363,68.822 43.475,61.71 43.475,43.448 40.833,40.806 C8.2 40.199,40.756 F1.2@32.197,40.756
  Bottom Layer w1.524: P3.2@-35.446,46.997 -33.189,46.997 -31.633,48.553 -31.633,49.772 ; P3.1@-35.446,49.497 -35.312,49.363 -32.116,49.363
  Bottom Layer w2: -18.501,68.822 -18.5,68.821 P10.2 ; P11.2 -3.5,68.782 ; 8.702,68.822 11.5,66.024 P9.2
  Bottom Layer w2.54: -37.45,68.822 -18.501,68.822 8.702,68.822 ; -36.688,63.704 v1@-36.688,68.67 ; v1@-36.688,68.759 v1(-37.805,68.759) -39.393,68.759 -44.917,63.234 -44.917,57.976 -39.888,52.947 -33.843,52.947 -32.116,51.22 -32.116,49.363
  other v1: -37.805,67.628 -36.567,67.628 -35.329,67.628 -36.567,68.759 -35.329,68.759 -37.805,69.889 -36.567,69.889 -35.329,69.889
V_SUB_BF_SW: P3.3 P3.4 R16.2 | length 12.3
  Top Layer w1.524: P3.4@-35.344,41.869 -35.21,42.003 -29.731,42.003 -30.721,42.003 -33.087,44.369 P3.3@-35.344,44.369
VBAT: C15.1 C17.1 C18.1 C19.1 C20.1 C21.1 C22.1 C23.1 C24.1 D3.2 D8.2 F3.1 R3.1 R16.1 R17.2 | length 200
  Top Layer w0.254: 22.657,52.527 22.682,52.502 R3.1
  Top Layer w0.508: -26.528,32.602 -25.805,33.325
  Top Layer w0.762: F3.1 21.895,54.432 22.657,53.67 22.657,52.527 v4(22.657,46.33)
  Top Layer w1.27: C20.1 -35.764,11.723 -32.547,14.94 ; C18.1 C19.1 -32.547,14.94 ; C15.1 -32.547,14.94 ; -26.586,22.797 C22.1 ; -26.557,27.648 -26.507,27.598 C23.1
  Top Layer w2.54: C15.1 v1(-28.229,16.6) ; R16.1 -26.528,41.771 -26.528,32.602 -26.543,29.952 -26.557,27.648 -26.586,22.797 -26.617,17.67 -26.617,17.664 -26.617,17.657 -26.623,16.604 -26.623,16.597 -26.623,16.59 -26.63,15.486 -26.63,15.479 -26.63,15.473 -26.632,15.155 -23.454,11.977 D8.2@-8.011,11.977
  Bottom Layer w0.762: v4(-25.629,29.947) -25.615,29.96 -17.155,29.96 -15.428,31.687 14.873,31.687 18.237,35.052 18.237,37.592 20.726,40.081 20.726,44.145 22.657,46.076 v4(22.657,46.33)
  Bottom Layer w1.27: C17.1 -32.547,14.991 -30.938,16.6 ; -26.632,22.797 C21.1 ; R17.2 -26.096,27.598 C24.1
  Bottom Layer w2.54: -30.938,16.6 v1(-28.229,16.6) ; R17.2 -26.632,22.797 -26.632,15.053 -23.53,11.952 D3.2@-7.96,11.952
  other v1: -9.804,9.804 -8.674,9.804 -7.544,9.804 -6.452,9.804 -9.804,10.922 -8.674,10.922 -7.544,10.922 -6.452,10.922 -9.804,11.989 -8.674,11.989 -7.544,11.989 -6.452,11.989 -9.83,13.767 -8.7,13.767 -7.569,13.767 -6.477,13.767 -9.83,14.884 -8.7,14.884 -7.569,14.884 -6.477,14.884 -28.229,15.482 -27.099,15.482 -25.969,15.482 -24.877,15.482 -9.83,15.951 -8.7,15.951 -7.569,15.951 -6.477,15.951 -27.099,16.6 -25.969,16.6 -24.877,16.6 -28.229,17.667 -27.099,17.667 -25.969,17.667 -24.877,17.667
VBAT_IN: P1.1 P1.2 R13.2 | length 35.8
  Top Layer w2.54: v1(24.577,25.058) v1(25.644,25.058) v1(27.981,25.058) v1(29.022,25.058)
  Bottom Layer w2.54: R13.2@15.799,23.966 15.799,26.822 19.368,30.392 24.603,30.392 ; 24.603,30.392 26.762,30.392 29.022,28.131 v1(29.022,26.176) v1(29.022,25.058) v1(27.981,25.058) v1(25.644,25.058) v1(24.577,25.058) v1(24.577,26.176) 24.577,30.367 24.603,30.392
  other v1: 23.536,23.966 24.577,23.966 25.644,23.966 27.981,23.966 29.022,23.966 30.089,23.966 23.536,25.058 30.089,25.058 23.536,26.176 25.644,26.176 27.981,26.176 30.089,26.176
VEX_IN: P1.3 P1.4 R18.1 | length 49.4
  Top Layer w2.54: R18.1@18.364,23.839 18.364,27.838 23.839,33.313 34.204,33.313 ; 34.204,33.313 33.645,32.754 v1(33.645,26.15) v1(33.645,25.033) v1(34.712,25.033) v1(37.049,25.033) 38.077,25.033 v1(38.09,25.033) v1(38.09,26.15) 38.09,29.427 34.204,33.313
  Bottom Layer w2.54: v1(33.645,25.033) v1(34.712,25.033) v1(37.049,25.033) 38.077,25.033 v1(38.09,25.033)
  other v1: 32.604,23.94 33.645,23.94 34.712,23.94 37.049,23.94 38.09,23.94 39.157,23.94 32.604,25.033 39.157,25.033 32.604,26.15 34.712,26.15 37.049,26.15 39.157,26.15
pads on no net: P1.0 P2.0 P2.1 P2.2 P2.3 P2.4 P7.5 P7.6 P7.13 P7.15 P7.17 P7.18 P8.0 P8.8 P8.11 P8.14 P8.17 U1.3 U2.2 U2.4 U2.5 U2.8 U2.9 U2.11 U2.12 U2.17 U2.18 U2.19

## Polygon pours and split planes (outlines as drawn)
DGND on Top Layer "DGND" (solid, remove dead copper, pour order 4): -50.523,72.009 50.5,72.009 50.5,0 50.299,0.197 -50.724,0.197 -50.523,0.395 -50.523,72.009
DGND on Bottom Layer "DGND" (solid, remove dead copper, pour order 6): -50.002,72 50,72 50,0 49.95,0.049 -50.102,0.049 -50.002,0.148 -50.002,72

## Keep-outs
Keep-Out Layer:
  the board outline again, w0.254

## Other copper
Top Layer:
  rectangle net +5V_VTEST: 32.791,61.112 34.493,63.144
  rectangle net +5V_BOTTOM: -22.479,37.237 -16.586,38.506
  rectangle net +5V_VTEST: 32.055,57.582 33.604,61.57
  rectangle net +5V_VTEST: 32.004,61.112 34.493,62.357
  rectangle net +16V_VTEST: 27.229,60.604 29.769,62.357
  rectangle net +16V_VTEST: 27.127,61.163 29.769,61.29
  rectangle net +16V_VTEST: 27.127,60.858 28.981,63.144
  region net V_SUB_AF_SW: -35.621,70.549 -35.621,66.866 -34.63,66.866 -34.63,70.549
  rectangle net V_PC_AF_SW: -39.228,57.545 -31.811,59.704
  region net V_SUB_AF_SW: -38.389,70.549 -38.389,66.866 -34.884,66.866 -34.884,70.549
  region net V_SUB_AF_SW: -39.273,66.197 -39.273,61.278 -34.402,61.278 -34.402,66.197
  rectangle net VBAT: -28.864,14.771 -24.14,18.403
Bottom Layer:
  region net V_SUB_AF_SW: -35.621,70.549 -35.621,66.866 -34.63,66.866 -34.63,70.549
  rectangle net V_SUB_AF_SW: -39.273,61.278 -34.376,66.197
  rectangle net V_PC_AF_SW: -39.228,57.545 -31.811,59.704
  region net V_SUB_AF_SW: -38.389,70.549 -38.389,66.866 -34.884,66.866 -34.884,70.549
  rectangle net VBAT: -28.864,14.771 -24.14,18.403

## Silkscreen, mask and mechanical layers (free items; w line width, h text height)
Top Solder:
  lines w0.762: -28.229,15.482 -24.877,15.482 ; -28.229,17.667 -24.877,17.667
  lines w1.27: -41.971,59.17 -41.971,41.771 -35.7,35.5 -35.7,33 ; -35.649,41.869 -35.515,42.002 -30.721,42.002 -33.087,44.369 -35.649,44.369
  lines w1.524: -30.887,16.6 -24.877,16.6
  lines w1.778: -26.68,41.949 -26.632,41.9 -26.632,15.155 -23.454,11.977 -11.948,11.977 ; 1.844,10.58 3.749,12.485 14.036,12.485 16.041,12.485 18.405,14.849 18.405,20.512 ; 1.87,15.66 1.87,15.635 4.791,12.714 ; 18.313,23.774 18.313,27.838 23.788,33.313 34.28,33.313 38.077,29.516 38.077,25.033 ; 33.543,33.313 33.645,33.211 33.645,25.033
Bottom Solder:
  lines w0.762: -28.229,15.482 -24.877,15.482 ; -28.229,17.667 -24.877,17.667
  lines w1.27: -44.917,57.976 -44.917,57.926 -44.866,57.926 ; -41.971,59.17 -41.341,58.54 -35.46,58.54 ; -35.751,46.997 -33.189,46.997 -31.862,48.324 -31.862,49.363 -35.617,49.363 -35.751,49.497 ; -35.701,62.625 -35.464,62.388 ; -35.7,28 -35.566,28.134 -30.772,28.134 -33.138,30.5 -35.7,30.5 ; -18.5,62.5 -18.5,68.821 ; -3.515,68.797 -3.5,68.782 -3.5,62.5 ; 8.829,68.822 11.5,66.151 11.5,62.5
  lines w1.524: -28.229,16.6 -24.877,16.6
  lines w1.778: -44.917,57.976 -44.917,63.285 -39.443,68.759 -36.688,68.759 ; -44.866,57.926 -39.913,52.973 -36.561,52.973 -33.868,52.973 -32.116,51.22 -32.116,49.363 ; -26.632,28.134 -26.632,15.053 -23.556,11.977 -11.948,11.977 ; 2.073,10.199 14.087,10.199 15.647,11.759 15.647,20.447 ; 2.073,15 6.912,10.161 ; 15.646,23.622 15.646,26.67 19.368,30.392 21.301,30.392 26.762,30.392 29.022,28.131 29.022,25.058 ; 24.526,30.392 24.577,30.341 24.577,25.033
  lines w1.905: -37.805,68.822 8.829,68.822
  lines w3.048: -36.688,62.752 -36.688,68.759

## Text inside footprints (layer, text, board x,y; h text height)
U2: Top Overlay "*" at 34.086,62.662 h0.76 r180
U3: Top Overlay "*" at 29.723,58.196 h0.64